# KiCad board RBCX.kicad_pcb (continued)
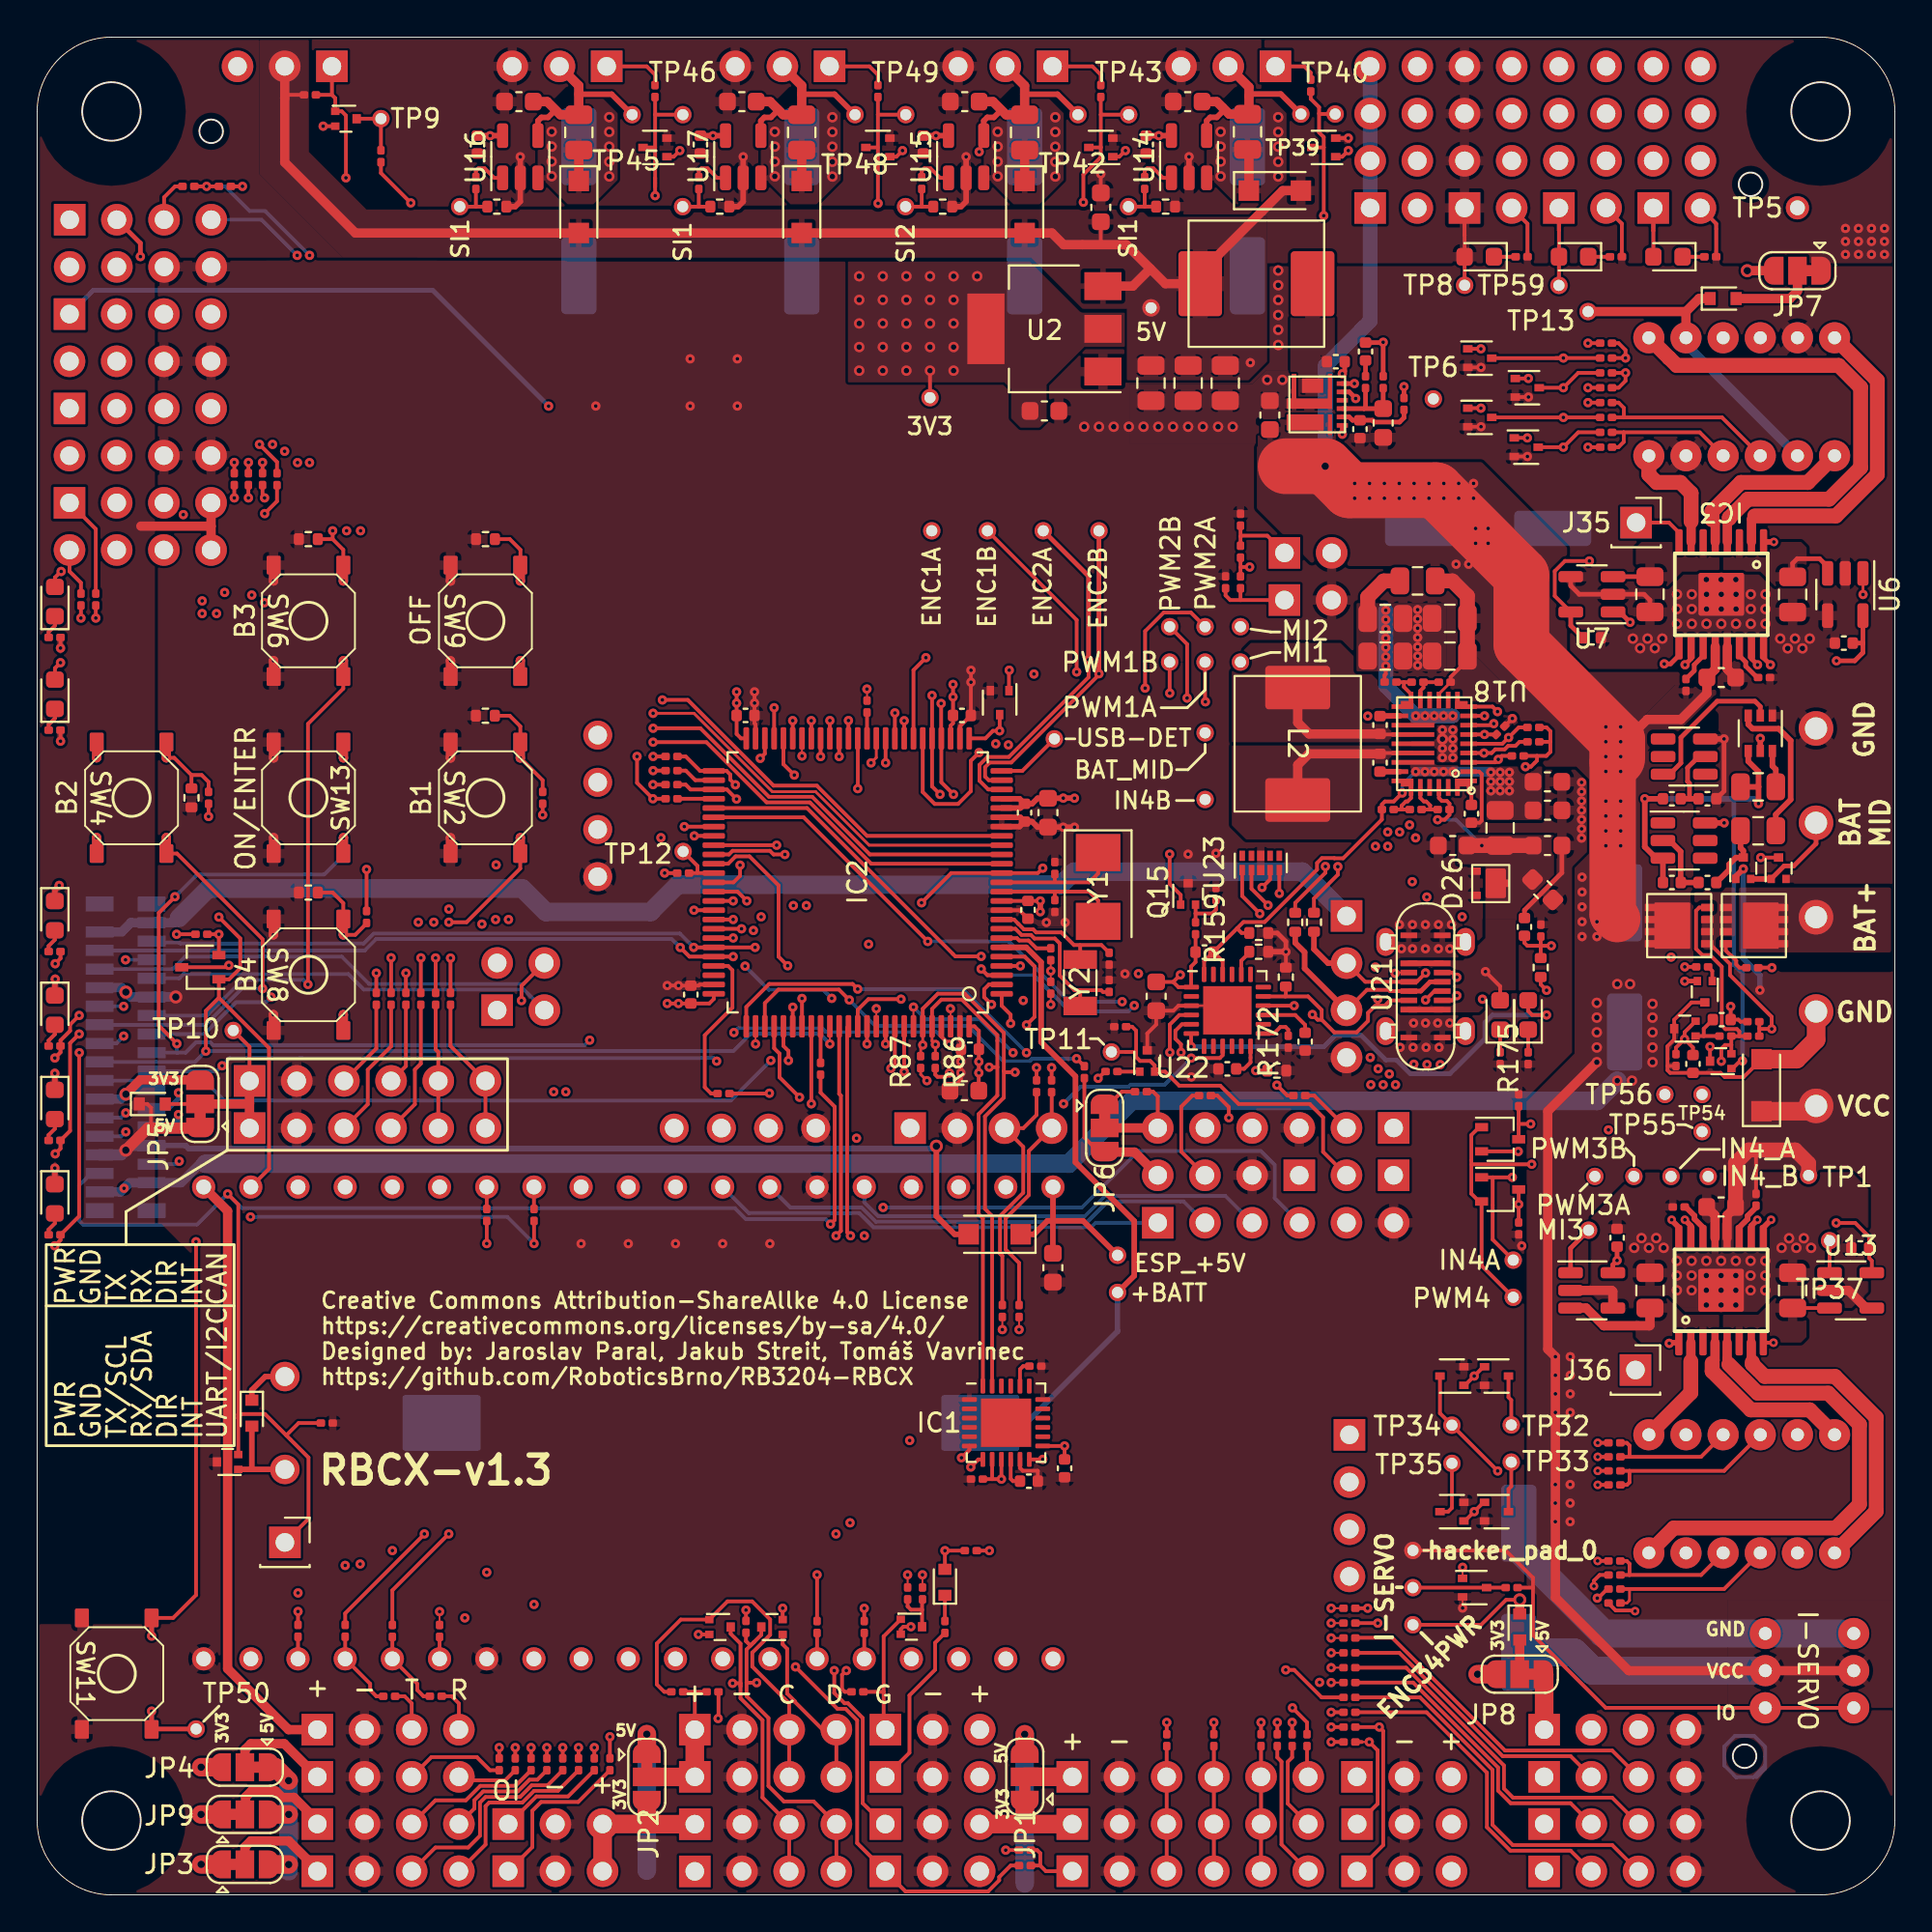
[diagram p0: board, top side]
## Routing (per net, layer and track width the routed paths; a pad name or vN(x,y) marks a point on that pad's centre or on a via; arc(x,y) is an arc through that point) (continued)
  In1.Cu w0.25: v1(74.74,48.17) v1(74.74,49.62)
  In2.Cu w0.1: v1(38.65,51) 38.94,50.71 50.1,50.71 50.55,51.16 63.53,51.16 65.64,53.27 v1(66.26,53.27)
  Bottom w0.2: X2.28 6.24,51.26 7.67,51.26 7.72,51.21 17.58,51.21 18.12,51.75 34.6,51.75 v1(35.34,51)
/USB_DP: length 85.3
  Top w0.2: v1(65.81,52.82) 64.87,53.76 U23.1 ; v1(37.47,50.5) IC2.71 35.11,50.5 v1(34.62,51) ; J49.3 71.59,48.72 72.75,48.72 72.82,48.65 U21.A6
  Top w0.25: U21.B6 74.98,49.15 74.48,48.65 U21.A6
  Top w0.3: 67.72,51.84 67.72,51.25 68.23,50.74 68.23,49.87 J49.3
  In1.Cu w0.2: v1(65.81,52.82) 66.15,52.82 68.23,50.73 68.23,49.87 J49.3
  In2.Cu w0.1: v1(65.81,52.82) 65.81,52.82 63.94,50.95 50.64,50.95 50.2,50.5 v1(37.47,50.5)
  Bottom w0.2: v1(34.62,51) 34.17,51.45 18.25,51.45 17.63,50.84 X2.27
/User interface/BUTTON-1: length 85.3
  Top w0.2: 26.01,62.08 26.01,62.9 25.44,63.47 C10.1 ; v1(22.16,52.36) 23.12,52.36 26.01,55.25 SW2.1 ; R57.2 27.21,60 v1(26.01,61.2)
  Top w0.5: v1(26.01,56.91) 26.01,56.06 26.01,56.05 ; 26.01,62.05 26.01,62.05 v1(26.01,61.2)
  In1.Cu w0.1: v1(26.01,61.2) 26.01,61.2 26.37,61.56
  In1.Cu w0.2: 26.37,61.56 27.53,62.72 v1(27.53,80.14) ; v1(26.01,61.2) v1(26.01,56.91)
  In2.Cu w0.15: v1(22.16,52.36) 21.27,51.46 18.28,51.46 15.14,48.33 v1(12.59,48.33)
  Bottom w0.2: X2.18 8.99,46.34 10.7,48.05 12.31,48.05 v1(12.59,48.33)
  Bottom w0.25: v1(27.53,80.14) 21.29,86.38 3.03,86.38 J31.1
  Bottom w0.5: v1(26.01,56.91) 26.01,56.9 26.01,56.05 ; v1(26.01,61.2) 26.01,61.2 26.01,62.05
/User interface/BUTTON-2: length 64.2
  Top w0.2: SW4.1 7.53,56.06 12.14,51.44 v1(12.14,48.78) ; R60.2 9.23,59.91 8.86,60.28 8.31,60.28 ; C11.1 8.31,60.28 ; 8.31,60.28 7.38,61.21 v1(6.95,61.21)
  Top w0.5: 6.95,56.06 6.95,56.06 v1(6.95,56.91) ; v1(6.95,61.21) 6.95,62.06 6.95,62.06
  In1.Cu w0.15: v1(6.95,61.21) 7.77,62.02 7.77,69.2 8.68,70.11 v1(10.09,70.11)
  In1.Cu w0.2: v1(6.95,56.91) v1(6.95,61.21) ; J31.3 5.52,83.85 5.52,82.17 6.19,81.5 10.48,81.5 12.67,79.31 v1(12.67,78.08)
  In2.Cu w0.2: v1(10.09,70.11) 12.7,72.71 12.7,78.05 v1(12.67,78.08)
  Bottom w0.2: v1(12.14,48.78) 11.01,48.78 9.06,46.84 X2.19
  Bottom w0.5: 6.95,56.06 6.95,56.91 v1(6.95,56.91) ; v1(6.95,61.21) 6.95,61.21 6.95,62.06
/User interface/BUTTON-3: length 117.8
  Top w0.1: v1(44.67,64.91) 44.67,64.9 R66.2
  Top w0.2: SW6.1 16.48,72.41 15.91,72.98 ; v1(14.58,49.01) 14.58,63.03 16.48,64.94 SW6.1 ; 15.91,72.98 C12.1 ; 15.91,72.98 v1(15.91,73.43) ; R76.2 57.48,44.32 v1(57.11,43.95)
  Top w0.5: v1(16.48,66.43) 16.48,65.58 16.48,65.58 ; 16.48,71.58 16.48,71.58 v1(16.48,70.73)
  In1.Cu w0.15: v1(53.66,65.72) 53.64,65.7 53.64,54.89 57.08,51.45 57.08,43.99 v1(57.11,43.95)
  In1.Cu w0.2: v1(16.48,70.73) v1(16.48,66.43)
  In2.Cu w0.15: v1(44.67,64.91) 46.78,64.91 47.98,63.71 49.35,63.71 51.12,65.47 53.41,65.47 v1(53.66,65.72)
  In2.Cu w0.2: v1(16.48,66.43) 16.93,66.88 42.69,66.88 v1(44.67,64.91) ; v1(15.91,73.43) 15.91,78 10.09,83.81 8.1,83.81 J31.5
  Bottom w0.2: X2.20 9.14,47.34 11.06,49.25 14.33,49.25 v1(14.58,49.01)
  Bottom w0.5: 16.48,71.58 16.48,70.73 v1(16.48,70.73) ; v1(16.48,66.43) 16.48,66.43 16.48,65.58
/User interface/BUTTON-4: length 62.1
  Top w0.2: 16.48,52.56 16.48,53.38 15.91,53.95 C13.1 ; R69.2 17.73,52.29 17.12,51.68 v1(16.48,51.68)
  Top w0.5: v1(16.48,47.38) 16.48,46.53 SW8.1 ; SW8.1 16.48,52.53 v1(16.48,51.68)
  In1.Cu w0.15: v1(16.48,51.68) 16.03,52.13 16.03,72.8 v1(16.66,73.43)
  In1.Cu w0.2: v1(16.48,47.38) v1(16.48,51.68)
  In2.Cu w0.15: v1(16.48,47.38) 16,47.86 8.39,47.86 8.07,47.54 4.94,47.54 v1(4.66,47.83)
  In2.Cu w0.2: J31.7 16.66,77.8 v1(16.66,73.43)
  Bottom w0.1: v1(4.66,47.83) 4.65,47.84
  Bottom w0.2: 4.65,47.84 X2.21
  Bottom w0.5: SW8.1 16.48,51.68 v1(16.48,51.68) ; v1(16.48,47.38) 16.48,47.38 SW8.1
/User interface/BUTTON-OFF: length 92
  Top w0.2: v1(7.51,51.71) 8.52,51.71 ; C14.1 25.44,72.98 26.02,72.41 26.02,71.58
  Top w0.5: 26.01,65.58 26.01,65.58 v1(26.01,66.43) ; v1(26.01,70.73) 26.01,71.58 26.01,71.58
  In1.Cu w0.15: v1(26.01,66.43) 26.01,63.88 24.71,62.57 v1(24.71,55.44) ; v1(7.51,51.71) 7.51,49.78 4.66,46.93 v1(4.66,46.23)
  In1.Cu w0.2: v1(26.01,66.43) v1(26.01,70.73) 26.01,83.84 16.67,93.18 8.12,93.18 6.59,91.65 3.23,91.65 J33.1
  In2.Cu w0.15: v1(24.71,55.44) 18.94,55.44 17.91,54.42 10.22,54.42 v1(7.51,51.71)
  Bottom w0.2: v1(4.66,46.23) 4.26,45.84 X2.17
  Bottom w0.5: 26.01,65.58 26.01,66.43 v1(26.01,66.43) ; 26.01,71.58 26.01,70.73 v1(26.01,70.73)
/User interface/BUZZER-: length 7.3
  Top w0.1: Q5.1 11.58,22.9 ; 11.58,22.9 13.33,22.9 ; 11.58,22.9 11.56,22.93
  Top w0.3: Q5.1 13.33,22.9 B1.- ; D3.2 11.56,22.93
/User interface/BUZZER-GATE: length 80.2
  Top w0.1: Q5.2 10.73,23.8
  Top w0.2: 10.83,25.65 10.83,25.87 10.84,25.88 12.26,25.88 13.41,24.74 ; 10.83,25.65 10.83,37.16 v1(10.26,37.73) ; 10.83,25.65 Q5.2 ; R62.2 42.17,43.18 42.93,42.42 42.93,36.33 v1(42.71,36.1) ; 13.41,24.74 14.07,25.4 R64.1 ; 13.41,24.74 14.61,23.54 14.61,20.24 J29.1
  Bottom w0.2: v1(42.71,36.1) 42.44,36.37 38.16,36.37 37.56,36.96 11.03,36.96 v1(10.26,37.73) 8.6,36.08 2.48,36.08 2.26,36.3 2.26,38.18 2.91,38.84 X2.3
/User interface/ESP-EN: length 2.4
  Top w0.2: J33.5 6.83,91.38 7.42,91.97 R78.2
/User interface/LED1: length 93.6
  Top w0.2: R58.1 1.26,50.41 v1(0.97,50.12) ; IC2.32 47.17,65.93 v1(47.84,66.6) ; v1(12.25,74.35) 12.91,75.02 R70.1
  In1.Cu w0.1: v1(0.97,50.12) 0.76,50.34 0.76,71.86 0.74,71.88 0.74,75.85 0.87,75.98
  In1.Cu w0.15: 0.88,75.96 0.89,75.97 7.43,75.97 7.87,75.54 v1(7.87,74.3)
  In1.Cu w0.2: 8.78,73.63 11.53,73.63 v1(12.25,74.35) ; 8.78,73.63 8.64,73.63 ; 8.78,73.63 8.53,73.63 v1(7.87,74.3)
  In2.Cu w0.2: v1(47.84,66.6) 46.66,67.78 9.44,67.78 7.87,69.35 7.87,74.29 v1(7.87,74.3)
  Bottom w0.2: v1(0.97,50.12) 1.26,50.41 R58.1
/User interface/LED2: length 85.6
  Top w0.2: IC2.67 v1(37.47,52.5) ; v1(2.26,47.34) 1.77,46.85 1.77,46.51 1.26,45.99 R61.1 1.26,45.35 v1(0.95,45.05) ; v1(10.61,75.2) R71.1
  In1.Cu w0.1: v1(10.61,75.2) 9.85,75.96 7.79,75.96 7.56,76.2 0.79,76.2 0.54,75.94 0.54,50.46 ; 0.72,48.68 0.54,48.86 0.54,50.47 ; 0.73,76.13 0.7,76.1
  In1.Cu w0.15: v1(25.37,52.5) 24.81,53.06 v1(22.16,53.06)
  In1.Cu w0.2: v1(0.95,45.05) 0.95,48.45 0.72,48.68
  In2.Cu w0.15: v1(2.26,47.34) 2.26,48.12 3.96,49.82 8.08,49.82 9.49,51.23 16.85,51.23 18.68,53.06 v1(22.16,53.06)
  In2.Cu w0.2: v1(37.47,52.5) 34.72,52.5 34.34,52.88 25.75,52.88 v1(25.37,52.5)
  Bottom w0.2: R61.1 1.26,45.35 v1(0.95,45.05)
/User interface/LED3: length 98
  Top w0.2: IC2.68 v1(37.92,52) ; v1(0.97,39.89) 1.26,40.17 R65.1 1.77,41.13 1.77,45.85 v1(2.26,46.34) ; R72.1 v1(11.37,75.2)
  In1.Cu w0.1: 0.53,76.26 0.34,76.06 0.34,40.52 v1(0.97,39.89) ; v1(20.52,52.36) 21.33,51.54 23.79,51.54 24.68,52.43 v1(24.68,52.5)
  In1.Cu w0.15: 0.53,76.26 0.7,76.42 7.74,76.42 7.98,76.19 10.38,76.19 v1(11.37,75.2)
  In2.Cu w0.15: v1(24.68,52.5) 25.12,52.06 37.86,52.06 v1(37.92,52) ; v1(2.26,46.34) 2.83,46.9 2.83,48.22 4.1,49.5 8.14,49.5 9.6,50.95 16.97,50.95 18.38,52.36 v1(20.52,52.36)
  Bottom w0.2: R65.1 1.26,40.17 v1(0.97,39.89)
/User interface/LED4: length 110.9
  Top w0.2: R73.1 12.13,75.31 v1(12.24,75.2) ; v1(37.47,51.51) 37.46,51.5 IC2.69 ; v1(0.95,34.94) 1.26,35.25 R68.1 2.26,36.53 2.26,45.33 v1(2.27,45.33)
  In1.Cu w0.1: 7.96,77.95 7.99,77.91
  In1.Cu w0.15: 7.99,77.91 8.08,77.83 8.08,77.01 8.65,76.44 11,76.44 v1(12.24,75.2) ; 23.43,51.77 21.94,51.77 v1(21.35,52.36) ; 0.45,39.9 0.45,40.09 0.11,40.43 0.11,77.56 1.12,78.57 7.34,78.57 7.96,77.95 ; 23.34,51.77 23.45,51.77 v1(23.94,52.26)
  In1.Cu w0.2: v1(0.95,34.94) 0.94,34.95 0.94,38.26 0.45,38.75 0.45,39.9
  In2.Cu w0.15: v1(23.94,52.26) 24.39,51.81 36.47,51.81 36.77,51.51 v1(37.47,51.51) ; v1(2.27,45.33) 3.22,46.28 3.22,48.11 4.33,49.22 8.25,49.22 9.73,50.7 17.09,50.7 18.16,51.76 20.76,51.76 v1(21.35,52.36)
  Bottom w0.2: R68.1 1.26,35.25 v1(0.95,34.94)
/User interface/LED-1: length 59.1
  Top w0.2: R70.2 12.91,77.13 v1(11.97,78.08)
  In1.Cu w0.15: 10.1,81.19 8.38,81.19
  In1.Cu w0.2: 8.26,81.19 10.1,81.19 11.97,79.32 v1(11.97,78.08) ; 8.26,81.19 2.92,81.19 J30.1 ; 8.26,81.19 8.38,81.19
  In2.Cu w0.1: 0.74,71.78 0.74,79.01 J30.1
  In2.Cu w0.15: 0.74,71.78 0.74,54.32 0.74,54.31 0.74,51.72 1.42,51.04 1.42,44.43 v1(4.77,41.07)
  Bottom w0.2: v1(4.77,41.07) 4.53,40.84 X2.7
/User interface/LED-2: length 48
  Top w0.2: v1(10.61,77.11) R71.2
  In1.Cu w0.15: v1(10.61,77.11) 10.61,77.81 9.79,78.63 7.72,78.63 7.41,78.94 5.35,78.94 J30.3 ; v1(8.88,68.97) 8.35,68.44 8.35,42.75 v1(7.61,42)
  In2.Cu w0.2: v1(10.61,77.11) 9.72,76.21 8.77,76.21 8.1,75.55 8.1,74.7 8.33,74.47 8.33,72.84 8.31,72.83 8.31,69.54 v1(8.88,68.97)
  Bottom w0.25: X2.8 7.27,41.34 7.61,41.67 v1(7.61,42)
/User interface/LED-3: length 50.5
  Top w0.2: R72.2 v1(11.37,77.11)
  In1.Cu w0.15: v1(11.37,77.11) 11.37,77.57 10.06,78.88 7.95,78.88 J30.5
  In2.Cu w0.2: J30.5 5.58,78.77 3.6,78.77 3.01,78.18 3.01,71.62 1.77,70.37 1.77,45.1 v1(4.77,42.09)
  Bottom w0.2: v1(4.77,42.09) 4.51,41.84 X2.9
/User interface/LED-4: length 42.4
  Top w0.2: R73.2 v1(12.13,77.11)
  In1.Cu w0.2: v1(7.61,43.18) 8.05,43.62 8.05,68.82 v1(8.88,69.65) ; J30.7 12.13,77.24 v1(12.13,77.11)
  In2.Cu w0.15: v1(8.88,69.65) 11.81,72.58 11.81,76.78 v1(12.13,77.11)
  Bottom w0.25: X2.10 7.08,42.34 7.61,42.86 v1(7.61,43.18)
/User interface/LED_1: length 1.3
  Bottom w0.2: R56.2 0.62,51.08 0.95,51.41 D33.2
/User interface/LED_1B: length 1.3
  Top w0.2: R58.2 0.62,51.08 0.95,51.41 D34.2
/User interface/LED_2: length 1.3
  Bottom w0.2: 0.95,46.83 0.95,46.32 0.62,45.99 0.62,45.69
/User interface/LED_2B: length 1.3
  Top w0.2: 0.95,46.84 0.95,46.33 0.62,45.99 0.62,45.69
/User interface/LED_3: length 1.3
  Bottom w0.2: 0.62,40.61 0.62,40.91 0.95,41.24 0.95,41.75
/User interface/LED_3B: length 1.3
  Top w0.2: 0.62,40.61 0.62,40.91 0.95,41.24 0.95,41.75
/User interface/LED_4: length 1.3
  Bottom w0.2: 0.62,35.53 0.62,35.82 0.95,36.15 0.95,36.67
/User interface/LED_4B: length 1.3
  Top w0.2: 0.62,35.53 0.62,35.82 0.95,36.15 0.95,36.67
/VUSB: length 113.2
  Top w0.2: R159.2 C79.1 62.36,50.21 62.12,49.97 62.12,48.86 61.43,48.86 61.15,49.14 ; U18.28 75.46,59.04 75.62,58.88 75.89,58.88 76.03,58.74 R147.1 76.03,58.14 75.76,57.87 v1(75.39,57.87) ; 61.15,49.14 C77.1 ; 61.15,49.14 61.53,49.52 v1(61.54,49.52) ; v1(77.96,49.7) 78.75,48.91 D41.2
  Top w0.25: 70.48,52.7 J49.1
  Top w0.3: U21.A4 U21.B9 ; U21.A9 U21.B4
  Top w0.8: C63.1 v1(77.77,56.48) C64.1
  In2.Cu w0.2: v1(61.54,49.52) 61.73,49.72 67.51,49.72 J49.1 71.89,52.7 72.32,53.12 76.96,53.12 77.96,52.12 v1(77.96,49.7)
  Bottom w0.2: v1(77.96,49.7) 78.75,48.91 78.75,48.17 ; v1(77.77,56.48) 76.38,57.87 v1(75.39,57.87)
  Bottom w0.5: X2.29 4.55,51.84 5.05,52.34 X2.30 7.38,52.34 7.64,52.59
  Bottom w1: 7.64,52.59 9.22,54.17 26.13,54.17 27.39,52.91 33.03,52.91 34.49,54.37 55.12,54.37 55.83,55.08 68.1,55.08 J49.1
Net-(C1-Pad1): length 4.4
  Top w0.25: v1(70.26,81.88) 70.39,82.01 C1.1 ; v1(70.26,78.63) U1.6
  In1.Cu w0.25: v1(70.26,81.88) v1(70.26,78.63)
Net-(C3-Pad2): length 0.9
  Top w0.25: C3.2 R10.2
Net-(C7-Pad1): length 4
  Top w0.25: U1.5 70.63,79.55 70.81,79.38 C7.1 71.88,79.38 71.98,79.28 73.34,79.28 73.58,79.52 R8.1
Net-(C23-Pad2): length 1.6
  Top w0.2: IC1.10 52.41,22.39 52.53,22.27 52.9,22.27
Net-(C24-Pad2): length 1.5
  Top w0.2: C24.2 53.07,28.46 52.91,28.29 IC1.20
Net-(C32-Pad1): length 2.1
  Top w0.25: IC3.11 89.68,66.7 89.2,66.22 89.2,65.89 C32.1
Net-(C33-Pad2): length 2.1
  Top w0.25: C33.2 92.59,65.53 91.97,66.14 91.97,66.36 91.63,66.7 IC3.14
Net-(C37-Pad1): length 2.1
  Top w0.3: C37.1 92.53,37 92.08,36.55 92.08,36.38 91.62,35.93 IC4.11
Net-(C38-Pad2): length 2.1
  Top w0.3: C38.2 88.74,37.03 89.22,36.55 89.22,36.38 89.67,35.93 IC4.14
Net-(C59-Pad1): length 1
  Top w0.3: U18.23 72.33,60.46
Net-(C59-Pad2): length 9.5
  Top w0.2: C59.2 72.33,61.46 U18.21
  Top w0.5: 69.23,58.94 68.67,58.94 ; 68.42,58.94 L2.1 67.86,60.82 68.46,61.42 C59.2
Net-(C65-Pad1): length 2.3
  Top w0.2: 73.45,58.42 C65.1 ; 73.45,58.42 R144.2 ; 73.45,58.42 73.45,58.63 73.68,58.86 73.77,58.86 73.96,59.04 U18.25
Net-(C65-Pad2): length 2.3
  Top w0.2: 74.99,58.42 74.99,58.64 74.77,58.86 74.64,58.86 74.46,59.04 U18.26 ; 74.99,58.42 R147.2 ; 74.99,58.42 C65.2
Net-(C66-Pad1): length 2.3
  Top w0.1: U18.15 73.96,64.26 U18.16
  Top w0.2: C66.1 73.57,65.28 ; 73.57,65.28 73.18,65.28 R148.1 ; 73.57,65.28 73.57,65.02 73.96,64.64 U18.15
Net-(C66-Pad2): length 1.9
  Top w0.2: U18.14 74.46,64.82 74.63,64.99 C66.2 R149.1
Net-(C67-Pad1): length 1
  Top w0.3: U18.17 72.33,63.46
Net-(C67-Pad2): length 9.1
  Top w0.2: C67.2 72.32,62.46 U18.19
  Top w0.5: 69.23,64.99 68.67,64.99 ; C67.2 68.47,62.49 67.86,63.1 67.86,64.42 68.42,64.99
Net-(C68-Pad1): length 12.5
  Top w0.2: R148.2 72.53,65.65 72.6,65.72 v1(72.6,66.15)
  Top w0.8: R150.1 72.49,70.73 71.62,69.86 C69.1
  Bottom w0.8: v1(72.6,69.15) 72.6,65.07 v1(74.21,63.46) v1(76.21,63.46)
  vias: v1(72.6,68.65) v1(72.6,68.15) v1(72.6,67.65) v1(72.6,67.15) v1(72.6,66.65) v1(74.71,63.46) v1(75.21,63.46) v1(75.71,63.46)
Net-(C72-Pad1): length 1.4
  Top w0.2: C72.1 77.21,59.21 77.06,59.36 U18.1
Net-(C76-Pad1): length 49.1
  Top w0.1: R169.1 v1(54.56,49.73) R170.1
  Top w0.2: 89.27,47.03 88.68,46.44 v1(88.68,46.06) ; 88.68,46.07 88.22,45.6 R171.1 ; 88.82,45.93 89.13,45.61 C76.1
  In1.Cu w0.15: v1(87.96,50.48) 88.25,50.18 88.25,46.49 v1(88.68,46.06)
  In1.Cu w0.2: TP56.P$1 87.62,45 v1(88.68,46.06)
  In2.Cu w0.1: v1(87.96,50.48) 87.68,50.75 82.7,50.75 79.32,54.14 74.56,54.14 74.32,53.9 69.45,53.9 65.89,50.34 55.17,50.34 v1(54.56,49.73)
Net-(C80-Pad1): length 1.4
  Top w0.2: C80.1 65.25,50.71 64.82,50.28 64.82,49.56
Net-(C82-Pad2): length 2.9
  Top w0.2: U22.15 67.72,47.36 68.26,46.83 C82.2
Net-(C83-Pad2): length 3.8
  Top w0.3: R160.1 C83.2 ; 88.47,54.49 88.47,56.16 87.88,56.75 87.51,56.75
Net-(C84-Pad2): length 3.9
  Top w0.25: 88.95,59 88.95,59.83 88.84,59.94 88.84,60.67 89.44,61.27 U19.2
  Top w0.3: R161.1 C84.2
Net-(D1-Pad1): length 1.4
  Top w0.2: D1.1 R38.1
Net-(D4-Pad2): length 4.6
  Top w0.5: JP7.2 94.76,86.33 94.36,85.93 D4.2
Net-(D9-Pad2): length 1.8
  Top w0.5: JP8.2 D9.2
Net-(D27-Pad1): length 1.3
  Bottom w0.2: D27.1 0.96,63.33 0.62,62.99 R12.2
Net-(D28-Pad1): length 1.3
  Top w0.2: D28.1 0.96,63.33 0.62,62.99 R13.2
Net-(D29-Pad1): length 1.2
  Top w0.2: 78.41,88.18 R14.1
Net-(D30-Pad1): length 1.2
  Bottom w0.2: R15.1 D30.1
Net-(D31-Pad1): length 1.3
  Top w0.2: R16.2 0.62,67.98 0.96,68.32 D31.1
Net-(D32-Pad1): length 1.3
  Bottom w0.2: D32.1 0.96,68.31 0.62,67.97 R17.2
Net-(D41-Pad1): length 1.2
  Top w0.2: D41.1 R173.2
Net-(D42-Pad1): length 1.2
  Bottom w0.2: R174.2 78.75,46.6
Net-(D43-Pad1): length 1.2
  Top w0.2: R175.2 D43.1
Net-(D43-Pad2): length 25.2
  Top w0.2: D43.2 80.26,47.58 80.48,47.36 v1(81.25,47.36) ; v1(62.12,45.66) 62.12,46.36
  Bottom w0.25: v1(81.25,47.36) 80.25,47.36 ; 80.25,47.36 78.34,47.36 77.94,46.96 77.94,46.09 76.05,44.2 73.92,44.2 73.18,44.94 72.6,44.94 71.27,46.26 69.87,46.26 69.27,45.66 v1(62.12,45.66) ; 80.25,47.36 80.26,47.37 D43.2
Net-(D44-Pad1): length 1.2
  Bottom w0.2: R178.2 D44.1
Net-(D45-Pad1): length 1.2
  Top w0.2: R138.2 D45.1
Net-(D46-Pad1): length 1.2
  Bottom w0.2: D46.1 R139.2
Net-(D47-Pad1): length 1.2
  Top w0.2: R181.2 D47.1
Net-(D48-Pad1): length 1.2
  Bottom w0.2: R182.2 D48.1
Net-(J42-Pad1): length 5.5
  Top w0.2: R124.2 3.16,73.52 J42.1
Net-(J42-Pad2): length 2.6
  Top w0.2: J42.2 1.74,71.24 2.36,70.63 R125.1
Net-(Q6-Pad1): length 1.2
  Top w0.2: Q6.1 58.16,44.31 R76.1
Net-(Q7-Pad1): length 0.9
  Top w0.2: R168.2 90.17,49.73 Q7.1
Net-(Q9-Pad3): length 3.7
  Top w0.3: 90.39,54.49 91.08,55.18 91.08,55.47 91.45,55.84 Q9.3 91.84,56.21 91.69,56.36 R162.1
Net-(Q10-Pad3): length 13.1
  Top w0.2: v1(92.78,55.84) Q10.3 ; Q11.3 v1(90.05,45.66)
  In1.Cu w0.2: v1(92.78,55.84) 92.78,54.42 92.17,53.8 92.17,47.77 v1(90.05,45.66)
Net-(Q12-Pad2): length 2
  Top w0.2: Q12.2 90.9,50.83 91.16,50.57 91.18,50.57 91.46,50.29 91.46,50.08 91.64,49.91 R164.2
Net-(Q13-Pad2): length 8.3
  Top w0.25: U19.6 87.88,60.32 88.48,60.92 88.48,62.3 90.44,64.25 92.47,64.25 92.76,63.97 Q13.2
Net-(Q13-Pad3): length 8.3
  Top w0.3: R162.2 93.59,58.16 94.39,58.96 94.39,62.13 93.75,62.77 92.34,62.77 92.11,63.01 Q13.3
Net-(Q13-Pad5): length 7.1
  Top w0.3: v1(92.76,62.25) Q13.5 ; U20.6 v1(90.81,57.7)
  In1.Cu w0.3: v1(92.76,62.25) 92.76,59.65 v1(90.81,57.7)
Net-(Q13-Pad6): length 2
  Top w0.3: R167.2 93.59,60.58 93.41,60.77 Q13.6
Net-(Q15-Pad2): length 2.7
  Top w0.2: 62.36,52.83 63.26,52.83 63.46,53.03 R180.2 ; 62.36,52.83 Q15.2 ; 62.36,52.83 R159.1
Net-(R8-Pad2): length 4
  Top w0.25: v1(73.58,81.19) R8.2 ; v1(70.91,81.35) U1.1
  In1.Cu w0.25: v1(70.91,81.35) 73.41,81.35 v1(73.58,81.19)
Net-(R10-Pad1): length 4.4
  Top w0.25: R10.1 71.51,80.08 71.43,80 ; U1.4 71.43,80 ; 71.43,80 R11.1 R9.1
Net-(R110-Pad1): length 2
  Top w0.2: R110.1 59.62,92.8 59.76,92.94 60.09,92.94 60.6,92.43 U14.1
Net-(R113-Pad1): length 2
  Top w0.2: 47.62,92.47 47.62,92.8 47.76,92.94 48.09,92.94 48.6,92.42 U15.1
Net-(R116-Pad1): length 2
  Top w0.2: U16.1 24.6,92.42 24.09,92.94 23.76,92.94 23.62,92.8 23.62,92.47
Net-(R119-Pad1): length 2
  Top w0.2: 35.62,92.47 35.62,92.8 35.76,92.94 36.09,92.94 36.6,92.42 U17.1
Net-(R151-Pad1): length 19.3
  Top w0.2: 64.78,71.46 64.8,71.48 v1(65.27,71.48) ; 64.78,71.46 R151.1 ; 64.78,71.46 R152.1 ; U18.8 v1(77.91,63.46)
  In1.Cu w0.2: v1(77.91,63.46) 76.97,64.4 72.9,64.4 68.26,69.04 68.26,70.63 68.02,70.88 66.28,70.88 65.68,71.48 v1(65.27,71.48)
Net-(R153-Pad1): length 1.5
  Top w0.2: U18.6 v1(77.91,62.46) 77.91,62.46 R153.1
Net-(R172-Pad2): length 1.9
  Top w0.2: U22.13 66.57,46.36 66.93,46.72 67.2,46.72 67.35,46.57 R172.2
Net-(TP6-PadP$1): length 5.1
  Top w0.25: U1.2 70.63,80.9 70.98,80.56 v1(70.98,80.55)
  In1.Cu w0.2: TP6.P$1 71,80.53 v1(70.98,80.55)

## Copper pours and planes (outline as drawn; the poured copper is in the pictures)
+3.3V on Top: 56.18,85.27 58.6,85.27 58.6,83.33 56.38,83.33 54.34,81.3 54.34,79.36 53.96,78.98 52.93,78.98 52.43,79.48 52.43,81.05 52.06,81.42 43.64,81.42 43.64,87.99 53.45,88
+3.3V on In1.Cu: 102.16,-1.57 -1.84,-1.57 -1.84,101.43 102.16,101.43
+5V on Top: 65.21,81.53 58.66,81.53 58.66,90.33 66.21,90.33 66.21,82.53
+5V on Top: 100.66,87.83 63.16,87.83 66.06,90.73 66.06,100.03 100.66,100.03
+5V on Top: 11.97,92.63 16.46,88.13 6.34,88.13 6.35,30.89 -0.34,30.89 -0.36,100.3 11.97,100.3
+5V on Top: 14.63,93.82 17.73,90.72 28.68,90.73 28.68,88.13 16.46,88.13 11.97,92.63 11.97,100.28 14.63,100.29
+5V on Top: 59.81,90.33 59.81,85.37 56.27,85.37 53.52,88.13 28.55,88.13 27.85,88.83 27.85,90.03 28.55,90.73 59.41,90.73
+5V on Bottom: 100.06,-0.27 12.51,-0.27 12.51,2.94 84.96,2.93 100.06,18.03
+5V on Bottom: 96.86,-0.27 96.86,90.13 100.07,90.13 100.07,-0.27
/Power/Battery Manager/VBUS_CS on Top: 81.01,57.85 77.96,57.85 77.96,60.54 78.16,60.74 81.01,60.74
/Power/Battery Manager/VBUS_CS on Top: 73.91,60.96 76.51,60.96 76.51,60.16 73.91,60.16
/Power/Battery Manager/VBUS_CS on Bottom: 79.53,59.12 77.96,59.12 77.96,60.54 78.16,60.74 79.53,60.74
GND on Top: 75.86,69.53 75.86,65.86 72.76,65.86 72.76,69.53
GND on Top: 58.79,78.13 58.79,81.32 65.4,81.32 66.16,82.08 69.91,82.08 69.91,78.13
GND on Top: 75.21,62.96 76.51,62.96 76.51,60.96 75.21,60.96
GND on Top: 98.56,38 98.56,32.47 97.68,31.59 84.46,31.6 83.65,32.4 83.65,36.43 86.11,38.89 90.91,38.89 90.91,35.92 92.76,35.92 92.76,38.89 97.67,38.89
GND on Top: 55.66,52.09 53.03,52.09 53.03,52.82 54.13,52.82 54.13,53.23 55.66,53.23
GND on Top, Bottom, In2.Cu: 101.16,-0.57 -0.84,-0.57 -0.84,100.43 101.16,100.43
GND on Bottom: 67.26,88.95 67.26,85.35 65.96,84.05 64.56,84.05 63.26,85.35 63.26,88.95 64.56,90.25 65.96,90.25
VCC on Top: 89.16,49.93 100.26,49.93 100.26,15.88 91.02,15.88 91.02,10.07 81.46,10.06 80.18,11.34 80.18,42.71 82.76,45.29 82.76,55.28 83.56,56.08 83.56,61.57 90.36,61.57 89.16,60.37
VCC on Top: 71.26,77.13 77.76,77.13 82.36,72.53 82.36,66.93 83.46,65.83 90.36,65.83 90.36,60.03 83.56,60.03 82.86,60.73 77.26,60.73 77.26,62.13 78.86,62.13 78.86,62.93 77.26,62.93 77.26,69.93 75.66,71.53 68.76,71.53 65.66,74.63 65.66,78.03 70.36,78.03
VCC on Top: 90.39,64.46 86.36,60.43 85.66,60.43 85.66,62.63 88.16,65.13 88.76,65.13 89.56,65.93 90.38,65.93
VCC on Top: 78.73,65.4 78.73,63.98 76.07,63.98 76.07,65.48 76.88,66.28 76.88,66.68 77.45,66.68
VCC on Top: 100.26,10.07 91.02,10.07 91.02,15.88 100.26,15.88
VCC on Top: 65.71,76.93 65.71,79.43 67.21,79.43 67.21,79.73 69.91,79.73 69.91,76.93
VCC on Bottom: 87.46,48.23 87.46,44.63 86.16,43.33 84.76,43.33 83.46,44.63 83.46,48.23 84.76,49.53 86.16,49.53
VCC on Bottom: 78.53,76.35 78.53,72.23 77.56,71.25 72.56,71.25 71.66,72.18 71.66,73.53 70.08,75.1 70.08,76.3 71.01,77.23 77.66,77.23
VCC on In1.Cu: 87.72,67.18 87.71,53.97 84.81,51.07 83.17,51.07 80.09,54.14 80.08,65.02 70.09,75.01 70.09,76.23 71.03,77.17 77.73,77.17
VCC on In2.Cu: 87.71,47.95 87.71,44.33 83.09,39.71 83.08,36.56 84.09,35.55 84.08,21.21 82.53,19.66 81.15,19.66 80.18,20.63 80.19,47.22 82.26,49.29 86.38,49.28
/Connectors/ESP-I2C-PWR on In1.Cu: 52.13,9.66 52.13,5.68 51.38,4.92 34.7,4.92 33.95,5.68 33.95,9.66 34.7,10.41 51.38,10.41
/Motors/M1GND on Top: 95.26,72.53 95.26,70.43 93.56,70.43 92.76,71.23 90.76,71.23 90.76,72.83 94.96,72.83
/Motors/M2GND on Top: 86.06,72.53 86.06,70.43 87.76,70.43 88.56,71.23 90.56,71.23 90.56,72.83 86.36,72.83
/Motors/M3GND on Top: 86.05,30.03 86.05,32.13 87.75,32.13 88.65,31.23 90.55,31.23 90.55,29.73 86.35,29.73
/Motors/M4GND on Top: 95.25,30.03 95.25,32.13 93.55,32.13 92.65,31.23 90.75,31.23 90.75,29.73 94.95,29.73
/Power/Battery Manager/BAT+ on Top: 100.26,50.73 91.61,50.73 91.61,54.23 100.26,54.23
/Power/Battery Manager/BAT+_PROTECTED on Top: 100.26,49.88 89.21,49.88 89.21,54.23 100.26,54.23
/Servos/Classic Sevo 1/SERVO_PWR on Top: 67.26,95.9 67.26,92.3 65.96,91 64.56,91 63.36,92.2 62.95,92.2 62.95,95.6 64.56,97.2 65.96,97.2
/Servos/Classic Sevo 1/SERVO_PWR on Bottom: 67.26,95.9 67.26,92.3 65.96,91 64.56,91 63.26,92.3 63.26,95.9 64.56,97.2 65.96,97.2
/Servos/Classic Sevo 2/SERVO_PWR on Top: 55.26,95.9 55.26,92.3 53.96,91 52.56,91 51.36,92.2 50.95,92.2 50.95,95.6 52.56,97.2 53.96,97.2
/Servos/Classic Sevo 2/SERVO_PWR on Bottom: 55.26,95.9 55.26,92.3 53.96,91 52.56,91 51.26,92.3 51.26,95.9 52.56,97.2 53.96,97.2
/Servos/Classic Sevo 3/SERVO_PWR on Top: 43.26,95.9 43.26,92.3 41.96,91 40.56,91 39.36,92.2 38.95,92.2 38.95,95.6 40.56,97.2 41.96,97.2
/Servos/Classic Sevo 3/SERVO_PWR on Bottom: 43.26,95.9 43.26,92.3 41.96,91 40.56,91 39.26,92.3 39.26,95.9 40.56,97.2 41.96,97.2
/Servos/Classic Sevo 4/SERVO_PWR on Top: 31.25,95.91 31.25,92.31 29.95,91.01 28.55,91.01 27.35,92.2 26.94,92.2 26.94,95.6 28.55,97.21 29.95,97.21
/Servos/Classic Sevo 4/SERVO_PWR on Bottom: 31.25,95.91 31.25,92.31 29.95,91.01 28.55,91.01 27.25,92.31 27.25,95.91 28.55,97.21 29.95,97.21
/VUSB on Top: 79.6,48.69 78.43,48.69 78.27,48.6 78.17,48.43 78.17,48.07 77.61,47.5 73.39,47.5 73.39,50.3 76.75,50.3 77.96,51.51 77.96,52.5 79.6,52.5
/VUSB on Top: 81.66,54.48 79.6,52.42 77.96,52.42 77.96,55.47 76.45,55.47 76.46,57.05 81.66,57.05
Net-(C1-Pad2) on Top: 67.86,80.63 67.86,81.93 67.46,81.93 67.46,85.18 69.86,85.18 69.86,80.63
Net-(C59-Pad2) on Top: 64.31,57.58 65.08,56.81 71.26,56.81 72.37,57.93 72.37,58.83 72.9,58.83 72.9,61.87 64.31,61.87
Net-(C67-Pad2) on Top: 64.31,66.36 65.34,67.39 70.16,67.39 72.9,64.64 72.9,63.88 72.9,63.12 72.9,62.04 64.31,62.04
Net-(C68-Pad1) on Top: 73.91,63.76 76.51,63.76 76.51,62.96 73.91,62.96
Net-(C68-Pad1) on Top: 72.6,69.53 72.6,65.86 71.02,65.86 71.02,69.53

## Text on the board
B.Silkscreen: SI1 | SI2 | T | R | C | D | G | I-LED | + | - | TP9 | SCL | 3V3 | GND | SCA | ~{CS1} / ~{CS2} / ~{CS3} | IO1 / IN1 / IN2 | M1 | M2 | M3 | TP45 | TP46 | TP49 | TP43 | MOSI | MISO | SCK | ~{CS} | TP40 | M4 | AUX | S3 | S2 | S1 | S0
F.Silkscreen: 3V3 | 5V | GND / VCC / IO | Creative Commons Attribution-ShareAllke 4.0 License / https://creativecommons.org/licenses/by-sa/4.0/ / Designed by: Jaroslav Paral, Jakub Streit, Tomáš Vavrinec / https://github.com/RoboticsBrno/RB3204-RBCX | BAT_MID | USB-DET | IN4B | +BATT | ESP_+5V | SI1 | SI2 | ENC1A | ENC1B | ENC2A | ENC2B | hacker_pad_0 | ENC34PWR | I-SERVO | C | D | G | PWR | + | - | T | R | PWM1A | PWM1B | MI2 | MI1 | PWM4 | IN4A | MI3 | PWM3B | PWM3A | IN4_A | IN4_B | IO | GND | TX | TX/SCL | RX | RX/SDA | DIR | INT | CAN | UART/I2C | B2 | B3 | ON/ENTER | B4 | OFF | B1 | PWM2B | PWM2A | VCC | BAT / MID | BAT+ | RBCX-v1.3
